# KiCad board ulx4m_panel.kicad_pcb (continued)
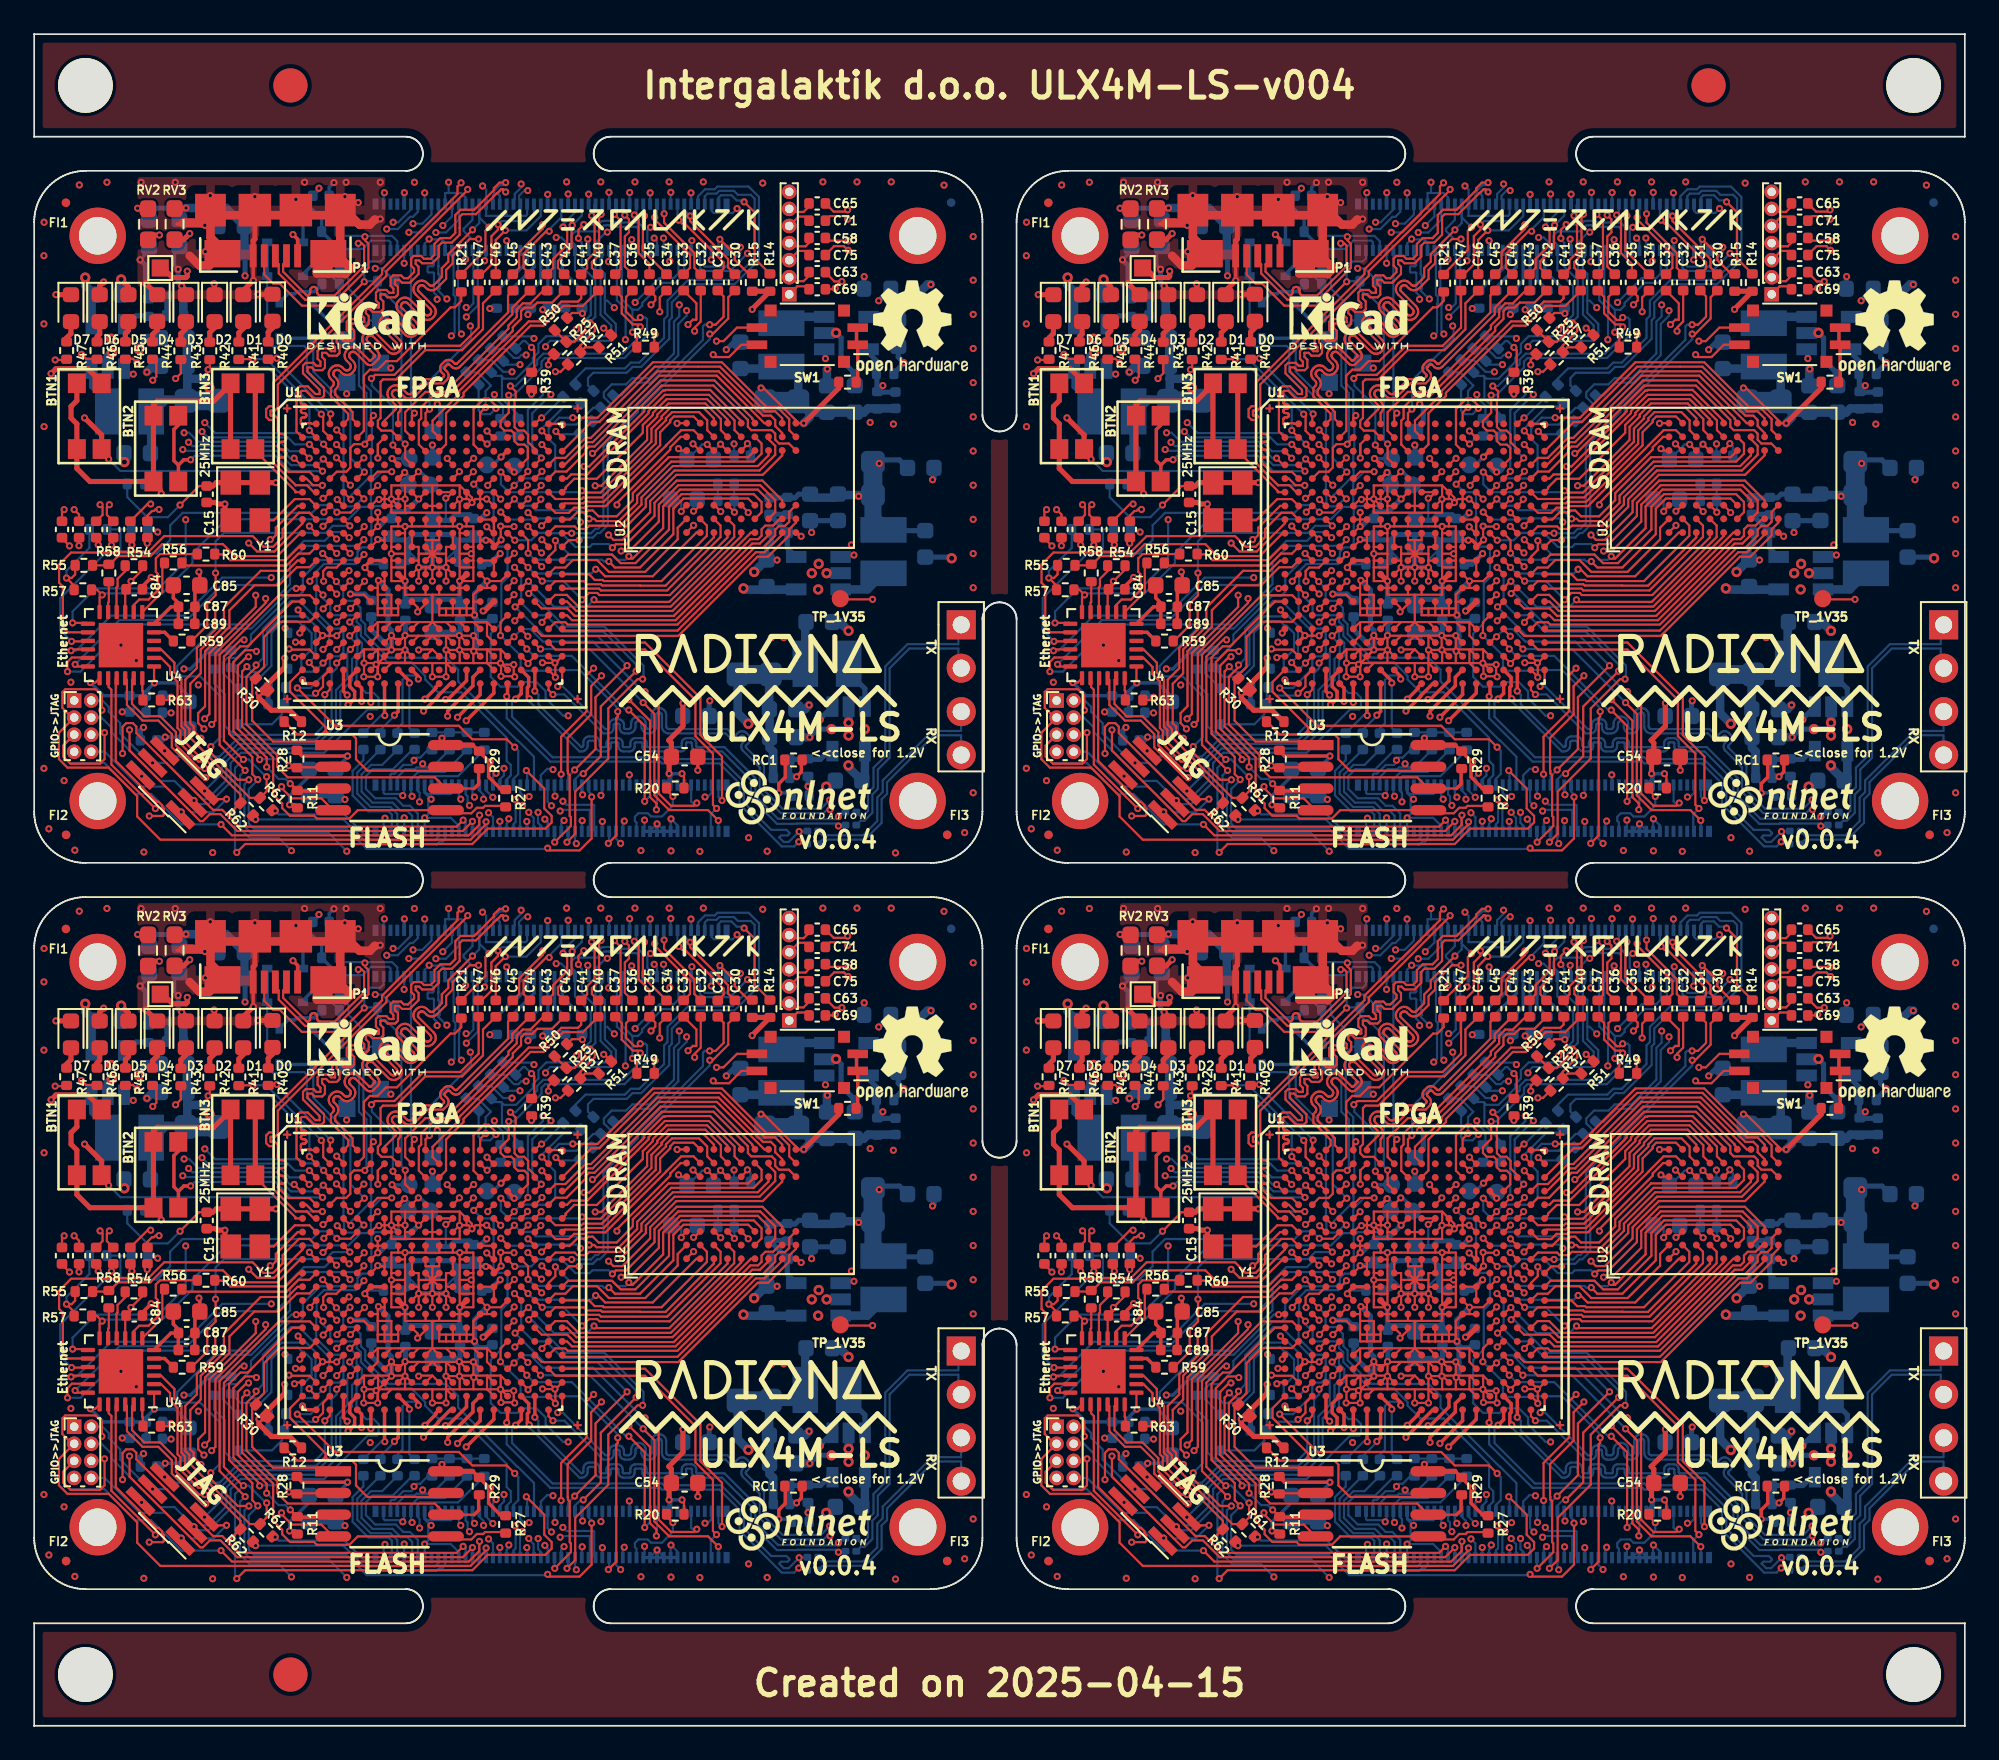
[diagram p0: board, top side]
## Nets (continued)
Board_1-GND: C1#3.2 C3#2.2 C4.2 C5#2.2 C7#3.2 C8#4.2 C9#4.2 C11#3.2 C12.2 C13#4.2 C14#4.2 C15.2 C16.2 C17#4.2 C18#3.2 C19#4.2 C20.2 C21#4.2 C22#4.2 C23.2 C24#2.2 C25#4.2 C26.2 C27#2.2 C28.2 C29#4.2 C38#3.2 C39#2.2 C48#3.2 C49#2.2 C50.2 C51#4.2 C52#2.2 C53#3.2 C54#3.2 C76#3.2 C78.2 C79#2.2 C80.2 C81#3.2 C82#3.2 C83.1 C84#3.2 C85#3.2 C86#3.2 C87#2.2 C88.2 C89#4.2 C90.2 C95#2.2 C96#4.2 C97#4.2 C98#3.2 D0#4.1 D1#3.1 D2.1 D3#4.1 D4#4.1 D5#4.1 D6.1 D7#2.1 D8#4.2 D9.2 H1.1 H2#3.1 H3.1 H4.1 J1#4.1 J1#4.2 J1#4.7 J1#4.8 J1#4.13 J1#4.14 J1#4.22 J1#4.23 J1#4.32 J1#4.33 J1#4.42 J1#4.43 J1#4.52 J1#4.53 J1#4.59 J1#4.60 J1#4.65 J1#4.66 J1#4.71 J1#4.74 J1#4.98 J2#3.7 J2#3.8 J2#3.13 J2#3.14 J2#3.19 J2#3.20 J2#3.25 J2#3.26 J2#3.31 J2#3.32 J2#3.37 J2#3.38 J2#3.44 J2#3.50 J2#3.55 J2#3.56 J2#3.61 J2#3.62 J2#3.67 J2#3.68 J2#3.73 J2#3.74 J2#3.79 J2#3.80 J2#3.85 J2#3.86 J2#3.91 J2#3.92 J2#3.97 J2#3.98 J3#4.1 J5.7 P1#4.5 P1#4.6 R9#4.1 R17#3.1 R39#4.2 R48#3.2 R49.2 R50.2 R51.2 R52#4.2 R63#3.2 RB1#3.1 RB2#3.1 RB3.1 RB4#4.1 RC2.1 U1#4.B7 U1#4.B14 U1#4.C19 U1#4.D4 U1#4.F7 U1#4.F8 U1#4.F13 U1#4.F14 U1#4.G4 U1#4.G6 U1#4.G7 U1#4.G8 U1#4.G9 U1#4.G10 U1#4.G11 U1#4.G12 U1#4.G13 U1#4.G14 U1#4.G15 U1#4.G17 U1#4.H19 U1#4.J2 U1#4.J7 U1#4.J9 U1#4.J10 U1#4.J11 U1#4.J12 U1#4.J14 U1#4.K6 U1#4.K7 U1#4.K9 U1#4.K10 U1#4.K11 U1#4.K12 U1#4.K14 U1#4.K15 U1#4.L9 U1#4.L10 U1#4.L11 U1#4.L12 U1#4.M2 U1#4.M7 U1#4.M9 U1#4.M10 U1#4.M11 U1#4.M12 U1#4.M14 U1#4.M16 U1#4.N6 U1#4.N7 U1#4.N14 U1#4.N15 U1#4.P7 U1#4.P8 U1#4.P11 U1#4.P12 U1#4.P13 U1#4.P14 U1#4.R4 U1#4.R19 U1#4.U4 U1#4.U7 U1#4.U8 U1#4.U9 U1#4.U10 U1#4.U11 U1#4.U12 U1#4.U13 U1#4.U14 U1#4.V5 U1#4.V6 U1#4.V7 U1#4.V8 U1#4.V9 U1#4.V12 U1#4.V13 U1#4.V14 U1#4.V15 U1#4.V16 U1#4.V19 U1#4.V20 U1#4.W6 U1#4.W7 U1#4.W12 U1#4.W15 U1#4.W16 U1#4.W19 U2#3.A1 U2#3.A3 U2#3.B7 U2#3.C3 U2#3.D7 U2#3.E3 U2#3.J1 U3#2.4 U4#2.25 U5#2.2 U6#4.2 U7#2.2 U8#4.2 Y1#4.2
Board_1-GP0: C41#2.1 U1#4.B11
Board_1-GP3: C43#3.1 U1#4.B9
Board_1-GP4: C45#3.1 U1#4.A7
Board_1-GP5: C47#3.1 U1#4.C8
Board_1-GPIO2: J1#4.58 U1#4.M17
Board_1-GPIO3: J1#4.56 U1#4.P17
Board_1-GPIO4: J1#4.54 U1#4.P16
Board_1-GPIO5: J1#4.34 U1#4.N1
Board_1-GPIO6: J1#4.30 U1#4.R1
Board_1-GPIO7: J1#4.37 U1#4.P3
Board_1-GPIO8: J1#4.39 U1#4.P4
Board_1-GPIO9: J1#4.40 U1#4.L5
Board_1-GPIO10: J1#4.44 R61#4.2 U1#4.K4 U4#2.3
Board_1-GPIO11: J1#4.38 U1#4.N2
Board_1-GPIO12: J1#4.31 J6#3.3 U1#4.L2
Board_1-GPIO13: J1#4.28 U1#4.T1
Board_1-GPIO14: J1#4.55 U1#4.N18
Board_1-GPIO15: J1#4.51 U1#4.N16
Board_1-GPIO16: J1#4.29 J6#3.5 U1#4.L1
Board_1-GPIO17: J1#4.50 U1#4.H3
Board_1-GPIO18: J1#4.49 U1#4.N5
Board_1-GPIO19: J1#4.26 U1#4.U1
Board_1-GPIO20: J1#4.27 J6#3.1 U1#4.L3
Board_1-GPIO21: J1#4.25 J6#3.7 R62.2 U1#4.L4 U4#2.2
Board_1-GPIO22: J1#4.46 U1#4.M3
Board_1-GPIO23: J1#4.47 U1#4.N4
Board_1-GPIO24: J1#4.45 U1#4.N3
Board_1-GPIO25: J1#4.41 U1#4.P5
Board_1-GPIO26: J1#4.24 U1#4.V1
Board_1-GPIO27: J1#4.48 U1#4.R17
Board_1-GPIO_VREF: J1#4.78
Board_1-HDMI0_CEC: J2#3.51 R8#2.2
Board_1-HDMI0_CLK_N: C30#2.2 J2#3.90
Board_1-HDMI0_CLK_P: C31#4.2 J2#3.88
Board_1-HDMI0_HOTPLUG: J2#3.53 R9#4.2
Board_1-HDMI0_SCL: J2#3.100 R14#4.2
Board_1-HDMI0_SDA: J2#3.99 R15.2
Board_1-HDMI0_TX0_N: C32#3.2 J2#3.84
Board_1-HDMI0_TX0_P: C33.2 J2#3.82
Board_1-HDMI0_TX1_N: C34#4.2 J2#3.78
Board_1-HDMI0_TX1_P: C35#4.2 J2#3.76
Board_1-HDMI0_TX2_N: C36#2.2 J2#3.72
Board_1-HDMI0_TX2_P: C37#2.2 J2#3.70
Board_1-HDMI1_CEC: J2#3.49 R16#2.2
Board_1-HDMI1_CLK_N: C40#3.2 J2#3.66
Board_1-HDMI1_CLK_P: C41#2.2 J2#3.64
Board_1-HDMI1_HOTPLUG: J2#3.43 R17#3.2
Board_1-HDMI1_SCL: J2#3.47 R10#3.2
Board_1-HDMI1_SDA: J2#3.45 R13#4.2
Board_1-HDMI1_TX0_N: C42#3.2 J2#3.60
Board_1-HDMI1_TX0_P: C43#3.2 J2#3.58
Board_1-HDMI1_TX1_N: C44.2 J2#3.54
Board_1-HDMI1_TX1_P: C45#3.2 J2#3.52
Board_1-HDMI1_TX2_N: C46#4.2 J2#3.48
Board_1-HDMI1_TX2_P: C47#3.2 J2#3.46
Board_1-ID_SC: J1#4.35 U1#4.J3
Board_1-ID_SD: J1#4.36 U1#4.H1
Board_1-JTAG_TCK: J3#4.4 J6#3.2 U1#4.T5
Board_1-JTAG_TDI: J3#4.3 J6#3.4 U1#4.R5
Board_1-JTAG_TDO: J3#4.6 J6#3.6 U1#4.V4
Board_1-JTAG_TMS: J3#4.5 J6#3.8 U1#4.U5
Board_1-LED0: R40#4.1 U1#4.A3
Board_1-LED1: R41#2.1 U1#4.B3
Board_1-LED2: R42#4.1 U1#4.B2
Board_1-LED3: R43#2.1 U1#4.C3
Board_1-LED4: R44#4.1 U1#4.C2
Board_1-LED5: R45#4.1 U1#4.C1
Board_1-LED6: R46.1 U1#4.D1
Board_1-LED7: R47#4.1 U1#4.D3
Board_1-Net-(BTN1-Pad1): BTN1#3.1 BTN2#2.1 BTN3#4.1 R18#4.1
Board_1-Net-(R70-Pad2): R70#3.2 SW1#3.1 SW1#3.2
Board_1-Net-(RC1-Pad1): RC1#2.1 RC2.2
Board_1-Net-(U1A-PT13B): TP_D8.1 U1#4.D8
Board_1-Net-(U1A-PT20B): TP_E9.1 U1#4.E9
Board_1-Net-(U1B-GR_PCLK1_0): R26#3.2 U1#4.D12
Board_1-Net-(U1B-GR_PCLK1_1): R38.1 U1#4.E12
Board_1-Net-(U1B-PT80A): R25#2.2 U1#4.D13
Board_1-Net-(U1B-PT80B): R37#4.1 U1#4.E13
Board_1-Net-(U1B-PT83A): R24#4.2 U1#4.A14
Board_1-Net-(U1B-PT83B): R36#3.1 U1#4.C14
Board_1-Net-(U1B-PT112A): TP_C16.1 U1#4.C16
Board_1-Net-(U1B-PT112B): TP_D16.1 U1#4.D16
Board_1-Net-(U1B-PT119A): R23#2.2 U1#4.A18
Board_1-Net-(U1B-PT119B): R35.1 U1#4.B19
Board_1-Net-(U1B-PT121A): R22#3.2 U1#4.A19
Board_1-Net-(U1B-PT121B): R34.1 U1#4.B20
Board_1-nEXTRST: J1#4.100 U1#4.U20
Board_1-nRPIBOOT: J1#4.93
Board_1-PCIe_CLK_N: C66#4.2 J2#3.12
Board_1-PCIe_CLK_nREQ: J2#3.2 U1#4.A10
Board_1-PCIe_CLK_P: C59#3.1 J2#3.10
Board_1-PCIe_nRST: J2#3.9 U1#4.A9
Board_1-PCIe_RX_N: C67.2 J2#3.18
Board_1-PCIe_RX_P: C61#2.1 J2#3.16
Board_1-PCIe_TX_N: C72.2 J2#3.24
Board_1-PCIe_TX_P: C55#4.1 J2#3.22
Board_1-PI_LED_nPWR: J1#4.95
Board_1-Pi_nLED_Activity: J1#4.21
Board_1-PWRBTn: D28#2.1 TP_E8.1 U1#4.E8
Board_1-RGMII_REF_CLK: U1#4.H2 U4#2.14
Board_1-RGMII_RX_DV: R55.2 R58#4.1 U1#4.J1
Board_1-RGMII_RXD0: R60#3.2 U1#4.K1
Board_1-RGMII_RXD1: R56#3.2 U1#4.K2
Board_1-RGMII_TX_CLK: R59#3.2 U1#4.H4
Board_1-RGMII_TX_EN: U1#4.K3 U4#2.16
Board_1-RGMII_TXD0: U1#4.K5 U4#2.17
Board_1-RGMII_TXD1: U1#4.J4 U4#2.18
Board_1-RUN_PG: J1#4.92 U1#4.U16
Board_1-SCL0: J1#4.80 U1#4.U17
Board_1-SD_CLK: J1#4.57 U1#4.G1
Board_1-SD_CMD: J1#4.62 U1#4.P1
Board_1-SD_D0: J1#4.63 U1#4.B15
Board_1-SD_D1: J1#4.67 U1#4.R16
Board_1-SD_D2: J1#4.69 U1#4.E14
Board_1-SD_D3: J1#4.61 U1#4.P2
Board_1-SD_DAT4: J1#4.68
Board_1-SD_DAT5: J1#4.64
Board_1-SD_DAT6: J1#4.72
Board_1-SD_DAT7: J1#4.70
Board_1-SD_PWR_ON: J1#4.75 R20#4.1 U1#4.E15
Board_1-SD_VDD_Override: J1#4.73
Board_1-SDA0: J1#4.82 U1#4.T17
Board_1-SDRAM_A0: U1#4.H16 U2#3.H7
Board_1-SDRAM_A1: U1#4.D19 U2#3.H8
Board_1-SDRAM_A2: U1#4.F16 U2#3.J8
Board_1-SDRAM_A3: U1#4.E18 U2#3.J7
Board_1-SDRAM_A4: U1#4.T19 U2#3.J3
Board_1-SDRAM_A5: U1#4.T18 U2#3.J2
Board_1-SDRAM_A6: U1#4.J16 U2#3.H3
Board_1-SDRAM_A7: U1#4.P18 U2#3.H2
Board_1-SDRAM_A8: U1#4.T20 U2#3.H1
Board_1-SDRAM_A9: U1#4.L19 U2#3.G3
Board_1-SDRAM_A10: U1#4.C20 U2#3.H9
Board_1-SDRAM_A11: U1#4.K19 U2#3.G2
Board_1-SDRAM_A12: U1#4.R20 U2#3.G1
Board_1-SDRAM_BA0: U1#4.J19 U2#3.G7
Board_1-SDRAM_BA1: U1#4.L16 U2#3.G8
Board_1-SDRAM_CKE: U1#4.J17 U2#3.F3
Board_1-SDRAM_CLK: U1#4.L20 U2#3.F2
Board_1-SDRAM_D0: U1#4.J18 U2#3.A8
Board_1-SDRAM_D1: U1#4.G20 U2#3.B9
Board_1-SDRAM_D2: U1#4.G19 U2#3.B8
Board_1-SDRAM_D3: U1#4.E16 U2#3.C9
Board_1-SDRAM_D4: U1#4.F19 U2#3.C8
Board_1-SDRAM_D5: U1#4.F20 U2#3.D9
Board_1-SDRAM_D6: U1#4.H18 U2#3.D8
Board_1-SDRAM_D7: U1#4.F18 U2#3.E9
Board_1-SDRAM_D8: U1#4.P19 U2#3.E1
Board_1-SDRAM_D9: U1#4.N17 U2#3.D2
Board_1-SDRAM_D10: U1#4.M18 U2#3.D1
Board_1-SDRAM_D11: U1#4.N20 U2#3.C2
Board_1-SDRAM_D12: U1#4.N19 U2#3.C1
Board_1-SDRAM_D13: U1#4.M20 U2#3.B2
Board_1-SDRAM_D14: U1#4.M19 U2#3.A2
Board_1-SDRAM_D15: U1#4.L17 U2#3.B1
Board_1-SDRAM_DQM0: U1#4.E20 U2#3.E8
Board_1-SDRAM_DQM1: U1#4.P20 U2#3.F1
Board_1-SDRAM_nCAS: U1#4.H20 U2#3.F7
Board_1-SDRAM_nCS: U1#4.D20 U2#3.G9
Board_1-SDRAM_nRAS: U1#4.G16 U2#3.F8
Board_1-SDRAM_nWE: U1#4.E19 U2#3.F9
Board_1-SRCLK1N: C69#3.2 J5.1
Board_1-SRCLK1P: C63#3.1 J5.2
Board_1-SRX11N: C71.2 J5.5
Board_1-SRX11P: C65#3.1 J5.6
Board_1-STX11N: C75.2 J5.3
Board_1-STX11P: C58#2.1 J5.4
Board_1-SW1: SW1#3.4 U1#4.L18
Board_1-SW2: SW1#3.3 U1#4.K18
Board_1-unconnected-(J1-Pad76): J1#4.76
Board_1-unconnected-(J2-Pad4): J2#3.4
Board_1-unconnected-(J2-Pad6): J2#3.6
Board_1-unconnected-(U1A-GR_PCLK0_0-PadB10): U1#4.B10
Board_1-unconnected-(U1A-PCLKC0_1-PadA11): U1#4.A11
Board_1-unconnected-(U1A-PT6B-PadD6): U1#4.D6
Board_1-unconnected-(U1A-PT9A-PadE7): U1#4.E7
Board_1-unconnected-(U1A-PT9B-PadD7): U1#4.D7
Board_1-unconnected-(U1A-PT11A-PadC6): U1#4.C6
Board_1-unconnected-(U1A-PT11B-PadC7): U1#4.C7
Board_1-unconnected-(U1A-PT54A-PadC9): U1#4.C9
Board_1-unconnected-(U1A-PT56A-PadD10): U1#4.D10
Board_1-unconnected-(U1A-PT56B-PadE10): U1#4.E10
Board_1-unconnected-(U1B-PCLKC1_0-PadC12): U1#4.C12
Board_1-unconnected-(U1B-PCLKC1_1-PadE11): U1#4.E11
Board_1-unconnected-(U1B-PCLKT1_0-PadB12): U1#4.B12
Board_1-unconnected-(U1B-PCLKT1_1-PadD11): U1#4.D11
Board_1-unconnected-(U1B-PT76A-PadA12): U1#4.A12
Board_1-unconnected-(U1B-PT76B-PadA13): U1#4.A13
Board_1-unconnected-(U1B-PT78A-PadB13): U1#4.B13
Board_1-unconnected-(U1B-PT78B-PadC13): U1#4.C13
Board_1-unconnected-(U1B-PT85A-PadD14): U1#4.D14
Board_1-unconnected-(U1B-PT103A-PadA15): U1#4.A15
Board_1-unconnected-(U1B-PT105B-PadC15): U1#4.C15
Board_1-unconnected-(U1B-PT107A-PadD15): U1#4.D15
Board_1-unconnected-(U1B-PT110A-PadA16): U1#4.A16
Board_1-unconnected-(U1B-PT110B-PadB16): U1#4.B16
Board_1-unconnected-(U1B-PT114A-PadB17): U1#4.B17
Board_1-unconnected-(U1B-PT114B-PadC17): U1#4.C17
Board_1-unconnected-(U1B-PT116A-PadA17): U1#4.A17
Board_1-unconnected-(U1B-PT116B-PadB18): U1#4.B18
Board_1-unconnected-(U1C-PR20B-PadH17): U1#4.H17
Board_1-unconnected-(U1C-PR29A-PadK16): U1#4.K16
Board_1-unconnected-(U1C-PR29B-PadK17): U1#4.K17
Board_1-unconnected-(U1D-PR77A-PadT16): U1#4.T16
Board_1-unconnected-(U1D-PR89B-PadR18): U1#4.R18
Board_1-unconnected-(U1E-PL77A-PadM5): U1#4.M5
Board_1-unconnected-(U1E-PL89B-PadM1): U1#4.M1
Board_1-unconnected-(U1F-GR_PCLK7_0-PadH5): U1#4.H5
Board_1-unconnected-(U1F-PL11D-PadC5): U1#4.C5
Board_1-unconnected-(U1G-DOUT/CSOn-PadR3): U1#4.R3
Board_1-unconnected-(U4-XTAL2-Pad4): U4#2.4
Board_1-US2_ID: J2#3.1 P1#4.4 R19#4.1 U1#4.D9
Board_1-USB_FPGA_D+: D8#4.1 R2#4.2 R4#3.2 R5#3.2 U1#4.A6 U1#4.F4
Board_1-USB_FPGA_D-: D9.1 R1#3.2 R6#2.2 R7.2 U1#4.B6 U1#4.E3
Board_1-USB_FPGA_PULL_D+: D10#3.2 D11#3.1 U1#4.F5
Board_1-USB_FPGA_PULL_D-: D12#4.2 D13#3.1 U1#4.E5
Board_1-USB_N: J2#3.3 P1#4.2 R1#3.1
Board_1-USB_P: J2#3.5 P1#4.3 R2#4.1
Board_1-USER_PROGRAMN: D15#2.1 U1#4.M4
Board_1-VDAC_COMP: J2#3.11
Board_1-WL_nDisable: J1#4.89
Board_2-2V5_3V3: C26#3.1 C38#2.1 C48.1 C49#3.1 C53#2.1 RV2#3.2 RV3#3.1 U1#3.F9 U1#3.F10 U1#3.H6 U1#3.H7 U1#3.J6
Board_2-+1V1: 1.1V_1.1 C17#3.1 C27#4.1 C28#2.1 RP1.2 U1#3.H8 U1#3.H9 U1#3.H10 U1#3.H11 U1#3.H12 U1#3.H13 U1#3.J8 U1#3.J13 U1#3.K8 U1#3.K13 U1#3.L8 U1#3.L13 U1#3.M8 U1#3.M13 U1#3.N8 U1#3.N9 U1#3.N10 U1#3.N11 U1#3.N12 U1#3.N13 U1#3.T6 U1#3.T7 U1#3.T8 U1#3.T9 U1#3.T10 U1#3.T11 U1#3.T12 U1#3.T13 U1#3.T14 U1#3.T15 U1#3.U6 U1#3.U15
Board_2-+1V35: C77.1 C95.1 C96.1 C97#2.1 C98#2.1 L4#3.2 RA4#3.1 RP4#4.1 RP4#4.2 TP_1V35#2.1
Board_2-+2V5: C10.1 C11#2.1 C12#2.1 C19#3.1 C23#2.1 C29.1 C39#3.1 L2#3.2 RA2#4.1 RP2.1 RP2.2 RV2#3.1 U1#3.F6 U1#3.F15 U1#3.P6 U1#3.P15 U1#3.V10 U1#3.V11 U1#3.V17 U1#3.V18
Board_2-+3.3VA: C86#2.1 C88#2.1 C90#3.1 FB1#4.2 U4#3.1 U4#3.19
Board_2-+5V: C1#4.1 C5#4.1 C9.1 C76#4.1 J1#2.77 J1#2.79 J1#2.81 J1#2.83 J1#2.85 J1#2.87 P1.1 R10.1 R13#2.1 R14#2.1 R15#2.1 U5#4.1 U5#4.4 U6#2.1 U6#2.4 U7#3.1 U7#3.4 U8#2.1 U8#2.4
Board_2-/blinkey/ALED0: D0.2 R40#2.2
Board_2-/blinkey/ALED1: D1.2 R41#4.2
Board_2-/blinkey/ALED2: D2#2.2 R42#3.2
Board_2-/blinkey/ALED3: D3.2 R43#3.2
Board_2-/blinkey/ALED4: D4.2 R44#3.2
Board_2-/blinkey/ALED5: D5.2 R45#2.2
Board_2-/blinkey/ALED6: D6#2.2 R46#4.2
Board_2-/blinkey/ALED7: D7#3.2 R47#2.2
Board_2-/ethernet/ETH_7: R56#2.1 U4#3.7
Board_2-/ethernet/ETH_8: R60#4.1 U4#3.8
Board_2-/ethernet/ETH_10: R54.1 U4#3.10
Board_2-/ethernet/ETH_11: R58#2.2 U4#3.11
Board_2-/ethernet/RBIAS: R63.1 U4#3.24
Board_2-/ethernet/XTAL: R59#4.1 U4#3.5
Board_2-/flash/FLASH_MISO: R28#4.2 U1#3.V2 U3#4.2
Board_2-/flash/FLASH_MOSI: R27.2 U1#3.W2 U3#4.5
Board_2-/flash/FLASH_nCS: R30#3.2 U1#3.R2 U3#4.1
Board_2-/flash/FLASH_nHOLD: R12#3.2 U1#3.W1 U3#4.7
Board_2-/flash/FLASH_nWP: R11.2 U1#3.Y2 U3#4.3
Board_2-/flash/FLASH_SCK: R29#2.2 U1#3.U3 U3#4.6
Board_2-/flash/FPGA_DONE: R32.2 U1#3.Y3
Board_2-/flash/FPGA_INITN: R33.2 U1#3.V3
Board_2-/flash/FPGA_PROGRAMN: C99#2.1 D15.2 D28.2 R31#4.2 U1#3.W3
Board_2-/gpio/CAM0_D0_LP: R21#2.2 U1#3.B5
Board_2-/power/FB1: C2#2.2 RA1#3.2 RB1#4.2 RC1#3.2 U5#4.5
Board_2-/power/FB2: C10.2 RA2#4.2 RB2#2.2 U6#2.5
Board_2-/power/FB3: C6.2 RA3#2.2 RB3#2.2 U7#3.5
Board_2-/power/FB4: C77.2 RA4#3.2 RB4#3.2 U8#2.5
Board_2-/power/L1: L1.1 U5#4.3
Board_2-/power/L2: L2#3.1 U6#2.3
Board_2-/power/L3: L3.1 U7#3.3
Board_2-/power/L4: L4#3.1 U8#2.3
Board_2-/serdes/1N: C91#3.1 J4#3.1
Board_2-/serdes/1P: C92#2.1 J4#3.2
Board_2-/serdes/2N: C93#4.1 J4#3.3
Board_2-/serdes/2P: C94#2.1 J4#3.4
Board_2-/serdes/CLK_0_N: C66.1 U1#3.Y12
Board_2-/serdes/CLK_0_P: C59#2.2 U1#3.Y11
Board_2-/serdes/CLK_1_N: C69#4.1 U1#3.W20
Board_2-/serdes/CLK_1_P: C63#4.2 U1#3.Y19
Board_2-/serdes/S_0_N: C67#3.1 U1#3.Y6
Board_2-/serdes/S_0_P: C61#3.2 U1#3.Y5
Board_2-/serdes/S_1_N: C68#2.1 U1#3.Y8
Board_2-/serdes/S_1_P: C62#4.2 U1#3.Y7
Board_2-/serdes/S_2_N: C72#2.1 U1#3.W5
Board_2-/serdes/S_2_P: C55.2 U1#3.W4
Board_2-/serdes/S_3_N: C73.1 U1#3.W9
Board_2-/serdes/S_3_P: C56.2 U1#3.W8
Board_2-/serdes/S_4_N: U1#3.Y15
Board_2-/serdes/S_4_P: U1#3.Y14
Board_2-/serdes/S_5_N: C71#4.1 C93#4.2 U1#3.Y17
Board_2-/serdes/S_5_P: C65#2.2 C94#2.2 U1#3.Y16
Board_2-/serdes/S_6_N: U1#3.W14
Board_2-/serdes/S_6_P: U1#3.W13
Board_2-/serdes/S_7_N: C75#3.1 C91#3.2 U1#3.W18
Board_2-/serdes/S_7_P: C58.2 C92#2.2 U1#3.W17
Board_2-/usb/D10_R4: D10#2.1 R4.1
Board_2-/usb/D11_R5: D11#4.2 R5#4.1
Board_2-/usb/D12_R6: D12#3.1 R6.1
Board_2-/usb/D13_R7: D13#2.2 R7#2.1
Board_2-AnalogIP0: J1#2.96
Board_2-AnalogIP1: J1#2.94
Board_2-BT_nDisable: J1#2.91
Board_2-BTN1: BTN1.2 U1#3.E1
Board_2-BTN2: BTN2#3.2 U1#3.D2
Board_2-BTN3: BTN3#2.2 U1#3.F1
Board_2-CAM0_C_N: J2#4.40 U1#3.E2
Board_2-CAM0_C_P: J2#4.42 U1#3.F2
Board_2-CAM0_D0_N: J2#4.28 U1#3.A5
Board_2-CAM0_D0_P: J2#4.30 R21#2.1 U1#3.A4
Board_2-CAM0_D1_N: J2#4.34 U1#3.B1
Board_2-CAM0_D1_P: J2#4.36 U1#3.A2
Board_2-CAM1_C_N: J2#4.27 U1#3.F3
Board_2-CAM1_C_P: J2#4.29 U1#3.G3
Board_2-CAM1_D0_N: J2#4.15 U1#3.B4
Board_2-CAM1_D0_P: J2#4.17 U1#3.C4
Board_2-CAM1_D1_N: J2#4.21 U1#3.D5
Board_2-CAM1_D1_P: J2#4.23 U1#3.E4
Board_2-CAM1_D2_N: J2#4.33
Board_2-CAM1_D2_P: J2#4.35
Board_2-CAM1_D3_N: J2#4.39
Board_2-CAM1_D3_P: J2#4.41
Board_2-Camera_GPIO: J1#2.97 U1#3.U19
Board_2-CLK_25MHz: U1#3.G2 Y1.3
Board_2-CM4_1.8V: J1#2.88 J1#2.90
Board_2-CM4_3.3V: C6.1 C7#2.1 C8#2.1 C13#2.1 C14#3.1 C15#2.1 C16#2.1 C18.1 C20#4.1 C21#3.1 C24#3.1 C25#3.1 C50#4.1 C51#2.1 C52#3.1 C54#4.1 C78#4.1 C79#4.1 C80#3.1 C81#2.1 C82#4.1 C84#4.1 C99#2.2 FB1#4.1 J1#2.84 J1#2.86 J3.2 L3.2 R8.1 R11.1 R12#3.1 R16#4.1 R18.2 R19#3.2 R20#2.2 R27.1 R28#4.1 R29#2.1 R30#3.1 R31#4.1 R32.1 R33.1 R53#3.1 R54.2 R55#2.1 R57#4.1 R64.2 R65#3.2 R66#3.2 R67#3.2 R70.1 RA3#2.1 RP3.1 RP3.2 RV3#3.2 U1#3.F11 U1#3.F12 U1#3.H14 U1#3.H15 U1#3.J15 U1#3.L6 U1#3.L7 U1#3.L14 U1#3.L15 U1#3.M6 U1#3.M15 U1#3.P9 U1#3.P10 U1#3.T2 U1#3.T3 U1#3.T4 U1#3.U2 U2.A7 U2.A9 U2.B3 U2.C7 U2.D3 U2.E7 U2.J9 U3#4.8 U4#3.9 Y1.1 Y1.4
Board_2-DSI0_C_N: J2#4.69 J2#4.87 R38#4.2 R39#2.1
Board_2-DSI0_C_P: J2#4.71 J2#4.89 R26#2.1 R49#3.1
Board_2-DSI0_D0_N: J2#4.57 J2#4.75 R37.2 R51#3.1
Board_2-DSI0_D0_P: J2#4.59 J2#4.77 R25.1 R50#2.1
Board_2-DSI0_D1_N: J2#4.63 J2#4.81 R36.2 R48#2.1
Board_2-DSI0_D1_P: J2#4.65 J2#4.83 R24.1 R52#3.1
Board_2-DSI1_D2_N: J2#4.93 R34#3.2
Board_2-DSI1_D2_P: J2#4.95 R22#2.1
Board_2-DSI1_D3_N: J2#4.94 R35#2.2
Board_2-DSI1_D3_P: J2#4.96 R23#3.1
Board_2-EEPROM_nWP: J1#2.20
Board_2-ETH_0N: J1#2.10 R65#3.1 U4#3.20
Board_2-ETH_0P: J1#2.12 R64.1 U4#3.21
Board_2-ETH_1N: J1#2.6 R67#3.1 U4#3.22
Board_2-ETH_1P: J1#2.4 R66#3.1 U4#3.23
Board_2-ETH_2N: C73.2 J1#2.9
Board_2-ETH_2P: C56.1 J1#2.11
Board_2-ETH_3N: C68#2.2 J1#2.5
Board_2-ETH_3P: C62#4.1 J1#2.3
Board_2-ETH_MDC: U1#3.J5 U4#3.13
Board_2-ETH_MDIO: R57#4.2 U1#3.E6 U4#3.12
Board_2-ETH_nLED1: J1#2.19 R62#3.1
Board_2-ETH_nLED2: J1#2.17 R61#3.1
Board_2-ETH_nLED3: J1#2.15
Board_2-ETH_SYNC_IN: J1#2.16
Board_2-ETH_SYNC_OUT: J1#2.18
Board_2-ETH_~{RESET}: C83#3.2 R53#3.2 U1#3.G5 U4#3.15
Board_2-FPDI_CLK+: C31.1 U1#3.J20
Board_2-FPDI_CLK-: C30.1 U1#3.K20
Board_2-FPDI_D0+: C33#3.1 U1#3.F17
Board_2-FPDI_D0-: C32#4.1 U1#3.G18
Board_2-FPDI_D1+: C35#3.1 U1#3.D18
Board_2-FPDI_D1-: C34#2.1 U1#3.E17
Board_2-FPDI_D2+: C37.1 U1#3.C18
Board_2-FPDI_D2-: C36.1 U1#3.D17
Board_2-GLOBAL_EN: J1#2.99 U1#3.U18
Board_2-GN0: C40#4.1 U1#3.C11
Board_2-GN3: C42#4.1 U1#3.C10
Board_2-GN4: C44#3.1 U1#3.A8
Board_2-GN5: C46#2.1 U1#3.B8
Board_2-GND: C1#4.2 C3#4.2 C4#4.2 C5#4.2 C7#2.2 C8#2.2 C9.2 C11#2.2 C12#2.2 C13#2.2 C14#3.2 C15#2.2 C16#2.2 C17#3.2 C18.2 C19#3.2 C20#4.2 C21#3.2 C22#3.2 C23#2.2 C24#3.2 C25#3.2 C26#3.2 C27#4.2 C28#2.2 C29.2 C38#2.2 C39#3.2 C48.2 C49#3.2 C50#4.2 C51#2.2 C52#3.2 C53#2.2 C54#4.2 C76#4.2 C78#4.2 C79#4.2 C80#3.2 C81#2.2 C82#4.2 C83#3.1 C84#4.2 C85#2.2 C86#2.2 C87#3.2 C88#2.2 C89#3.2 C90#3.2 C95.2 C96.2 C97#2.2 C98#2.2 D0.1 D1.1 D2#2.1 D3.1 D4.1 D5.1 D6#2.1 D7#3.1 D8#3.2 D9#3.2 H1#3.1 H2#4.1 H3#2.1 H4#2.1 J1#2.1 J1#2.2 J1#2.7 J1#2.8 J1#2.13 J1#2.14 J1#2.22 J1#2.23 J1#2.32 J1#2.33 J1#2.42 J1#2.43 J1#2.52 J1#2.53 J1#2.59 J1#2.60 J1#2.65 J1#2.66 J1#2.71 J1#2.74 J1#2.98 J2#4.7 J2#4.8 J2#4.13 J2#4.14 J2#4.19 J2#4.20 J2#4.25 J2#4.26 J2#4.31 J2#4.32 J2#4.37 J2#4.38 J2#4.44 J2#4.50 J2#4.55 J2#4.56 J2#4.61 J2#4.62 J2#4.67 J2#4.68 J2#4.73 J2#4.74 J2#4.79 J2#4.80 J2#4.85 J2#4.86 J2#4.91 J2#4.92 J2#4.97 J2#4.98 J3.1 J5#4.7 P1.5 P1.6 R9#2.1 R17#2.1 R39#2.2 R48#2.2 R49#3.2 R50#2.2 R51#3.2 R52#3.2 R63.2 RB1#4.1 RB2#2.1 RB3#2.1 RB4#3.1 RC2#3.1 U1#3.B7 U1#3.B14 U1#3.C19 U1#3.D4 U1#3.F7 U1#3.F8 U1#3.F13 U1#3.F14 U1#3.G4 U1#3.G6 U1#3.G7 U1#3.G8 U1#3.G9 U1#3.G10 U1#3.G11 U1#3.G12 U1#3.G13 U1#3.G14 U1#3.G15 U1#3.G17 U1#3.H19 U1#3.J2 U1#3.J7 U1#3.J9 U1#3.J10 U1#3.J11 U1#3.J12 U1#3.J14 U1#3.K6 U1#3.K7 U1#3.K9 U1#3.K10 U1#3.K11 U1#3.K12 U1#3.K14 U1#3.K15 U1#3.L9 U1#3.L10 U1#3.L11 U1#3.L12 U1#3.M2 U1#3.M7 U1#3.M9 U1#3.M10 U1#3.M11 U1#3.M12 U1#3.M14 U1#3.M16 U1#3.N6 U1#3.N7 U1#3.N14 U1#3.N15 U1#3.P7 U1#3.P8 U1#3.P11 U1#3.P12 U1#3.P13 U1#3.P14 U1#3.R4 U1#3.R19 U1#3.U4 U1#3.U7 U1#3.U8 U1#3.U9 U1#3.U10 U1#3.U11 U1#3.U12 U1#3.U13 U1#3.U14 U1#3.V5 U1#3.V6 U1#3.V7 U1#3.V8 U1#3.V9 U1#3.V12 U1#3.V13 U1#3.V14 U1#3.V15 U1#3.V16 U1#3.V19 U1#3.V20 U1#3.W6 U1#3.W7 U1#3.W12 U1#3.W15 U1#3.W16 U1#3.W19 U2.A1 U2.A3 U2.B7 U2.C3 U2.D7 U2.E3 U2.J1 U3#4.4 U4#3.25 U5#4.2 U6#2.2 U7#3.2 U8#2.2 Y1.2
Board_2-GP0: C41.1 U1#3.B11
Board_2-GP3: C43#4.1 U1#3.B9
Board_2-GP4: C45#2.1 U1#3.A7
Board_2-GP5: C47.1 U1#3.C8
Board_2-GPIO2: J1#2.58 U1#3.M17
Board_2-GPIO3: J1#2.56 U1#3.P17
Board_2-GPIO4: J1#2.54 U1#3.P16
Board_2-GPIO5: J1#2.34 U1#3.N1
Board_2-GPIO6: J1#2.30 U1#3.R1
Board_2-GPIO7: J1#2.37 U1#3.P3
Board_2-GPIO8: J1#2.39 U1#3.P4
Board_2-GPIO9: J1#2.40 U1#3.L5
Board_2-GPIO10: J1#2.44 R61#3.2 U1#3.K4 U4#3.3
Board_2-GPIO11: J1#2.38 U1#3.N2
Board_2-GPIO12: J1#2.31 J6.3 U1#3.L2
Board_2-GPIO13: J1#2.28 U1#3.T1
Board_2-GPIO14: J1#2.55 U1#3.N18
Board_2-GPIO15: J1#2.51 U1#3.N16
Board_2-GPIO16: J1#2.29 J6.5 U1#3.L1
Board_2-GPIO17: J1#2.50 U1#3.H3
Board_2-GPIO18: J1#2.49 U1#3.N5
Board_2-GPIO19: J1#2.26 U1#3.U1
Board_2-GPIO20: J1#2.27 J6.1 U1#3.L3
Board_2-GPIO21: J1#2.25 J6.7 R62#3.2 U1#3.L4 U4#3.2
Board_2-GPIO22: J1#2.46 U1#3.M3
Board_2-GPIO23: J1#2.47 U1#3.N4
Board_2-GPIO24: J1#2.45 U1#3.N3
Board_2-GPIO25: J1#2.41 U1#3.P5
Board_2-GPIO26: J1#2.24 U1#3.V1
Board_2-GPIO27: J1#2.48 U1#3.R17
Board_2-GPIO_VREF: J1#2.78
Board_2-HDMI0_CEC: J2#4.51 R8.2
Board_2-HDMI0_CLK_N: C30.2 J2#4.90
Board_2-HDMI0_CLK_P: C31.2 J2#4.88
Board_2-HDMI0_HOTPLUG: J2#4.53 R9#2.2
Board_2-HDMI0_SCL: J2#4.100 R14#2.2
Board_2-HDMI0_SDA: J2#4.99 R15#2.2
Board_2-HDMI0_TX0_N: C32#4.2 J2#4.84
Board_2-HDMI0_TX0_P: C33#3.2 J2#4.82
Board_2-HDMI0_TX1_N: C34#2.2 J2#4.78
Board_2-HDMI0_TX1_P: C35#3.2 J2#4.76
Board_2-HDMI0_TX2_N: C36.2 J2#4.72
Board_2-HDMI0_TX2_P: C37.2 J2#4.70
Board_2-HDMI1_CEC: J2#4.49 R16#4.2
Board_2-HDMI1_CLK_N: C40#4.2 J2#4.66
Board_2-HDMI1_CLK_P: C41.2 J2#4.64
Board_2-HDMI1_HOTPLUG: J2#4.43 R17#2.2
Board_2-HDMI1_SCL: J2#4.47 R10.2
Board_2-HDMI1_SDA: J2#4.45 R13#2.2
Board_2-HDMI1_TX0_N: C42#4.2 J2#4.60
Board_2-HDMI1_TX0_P: C43#4.2 J2#4.58
Board_2-HDMI1_TX1_N: C44#3.2 J2#4.54
Board_2-HDMI1_TX1_P: C45#2.2 J2#4.52
Board_2-HDMI1_TX2_N: C46#2.2 J2#4.48
Board_2-HDMI1_TX2_P: C47.2 J2#4.46
Board_2-ID_SC: J1#2.35 U1#3.J3
Board_2-ID_SD: J1#2.36 U1#3.H1
Board_2-JTAG_TCK: J3.4 J6.2 U1#3.T5
Board_2-JTAG_TDI: J3.3 J6.4 U1#3.R5
Board_2-JTAG_TDO: J3.6 J6.6 U1#3.V4
Board_2-JTAG_TMS: J3.5 J6.8 U1#3.U5
Board_2-LED0: R40#2.1 U1#3.A3
Board_2-LED1: R41#4.1 U1#3.B3
Board_2-LED2: R42#3.1 U1#3.B2
Board_2-LED3: R43#3.1 U1#3.C3
Board_2-LED4: R44#3.1 U1#3.C2
Board_2-LED5: R45#2.1 U1#3.C1
Board_2-LED6: R46#4.1 U1#3.D1
Board_2-LED7: R47#2.1 U1#3.D3
Board_2-Net-(BTN1-Pad1): BTN1.1 BTN2#3.1 BTN3#2.1 R18.1
Board_2-Net-(R70-Pad2): R70.2 SW1.1 SW1.2
Board_2-Net-(RC1-Pad1): RC1#3.1 RC2#3.2
Board_2-Net-(U1A-PT13B): TP_D8#4.1 U1#3.D8
Board_2-Net-(U1A-PT20B): TP_E9#4.1 U1#3.E9
Board_2-Net-(U1B-GR_PCLK1_0): R26#2.2 U1#3.D12
Board_2-Net-(U1B-GR_PCLK1_1): R38#4.1 U1#3.E12
Board_2-Net-(U1B-PT80A): R25.2 U1#3.D13
Board_2-Net-(U1B-PT80B): R37.1 U1#3.E13
Board_2-Net-(U1B-PT83A): R24.2 U1#3.A14
Board_2-Net-(U1B-PT83B): R36.1 U1#3.C14
Board_2-Net-(U1B-PT112A): TP_C16#2.1 U1#3.C16
Board_2-Net-(U1B-PT112B): TP_D16#3.1 U1#3.D16
Board_2-Net-(U1B-PT119A): R23#3.2 U1#3.A18
Board_2-Net-(U1B-PT119B): R35#2.1 U1#3.B19
Board_2-Net-(U1B-PT121A): R22#2.2 U1#3.A19
Board_2-Net-(U1B-PT121B): R34#3.1 U1#3.B20
Board_2-nEXTRST: J1#2.100 U1#3.U20
Board_2-nRPIBOOT: J1#2.93
Board_2-PCIe_CLK_N: C66.2 J2#4.12
Board_2-PCIe_CLK_nREQ: J2#4.2 U1#3.A10
Board_2-PCIe_CLK_P: C59#2.1 J2#4.10
Board_2-PCIe_nRST: J2#4.9 U1#3.A9
Board_2-PCIe_RX_N: C67#3.2 J2#4.18
Board_2-PCIe_RX_P: C61#3.1 J2#4.16
Board_2-PCIe_TX_N: C72#2.2 J2#4.24
Board_2-PCIe_TX_P: C55.1 J2#4.22
Board_2-PI_LED_nPWR: J1#2.95
Board_2-Pi_nLED_Activity: J1#2.21
Board_2-PWRBTn: D28.1 TP_E8#4.1 U1#3.E8
Board_2-RGMII_REF_CLK: U1#3.H2 U4#3.14
Board_2-RGMII_RX_DV: R55#2.2 R58#2.1 U1#3.J1
Board_2-RGMII_RXD0: R60#4.2 U1#3.K1
Board_2-RGMII_RXD1: R56#2.2 U1#3.K2
Board_2-RGMII_TX_CLK: R59#4.2 U1#3.H4
Board_2-RGMII_TX_EN: U1#3.K3 U4#3.16
Board_2-RGMII_TXD0: U1#3.K5 U4#3.17
Board_2-RGMII_TXD1: U1#3.J4 U4#3.18
Board_2-RUN_PG: J1#2.92 U1#3.U16
Board_2-SCL0: J1#2.80 U1#3.U17
Board_2-SD_CLK: J1#2.57 U1#3.G1
Board_2-SD_CMD: J1#2.62 U1#3.P1
Board_2-SD_D0: J1#2.63 U1#3.B15
Board_2-SD_D1: J1#2.67 U1#3.R16
Board_2-SD_D2: J1#2.69 U1#3.E14
Board_2-SD_D3: J1#2.61 U1#3.P2
Board_2-SD_DAT4: J1#2.68
Board_2-SD_DAT5: J1#2.64
Board_2-SD_DAT6: J1#2.72
Board_2-SD_DAT7: J1#2.70
Board_2-SD_PWR_ON: J1#2.75 R20#2.1 U1#3.E15
Board_2-SD_VDD_Override: J1#2.73
Board_2-SDA0: J1#2.82 U1#3.T17
Board_2-SDRAM_A0: U1#3.H16 U2.H7
Board_2-SDRAM_A1: U1#3.D19 U2.H8
Board_2-SDRAM_A2: U1#3.F16 U2.J8
Board_2-SDRAM_A3: U1#3.E18 U2.J7
Board_2-SDRAM_A4: U1#3.T19 U2.J3
Board_2-SDRAM_A5: U1#3.T18 U2.J2
Board_2-SDRAM_A6: U1#3.J16 U2.H3
Board_2-SDRAM_A7: U1#3.P18 U2.H2
Board_2-SDRAM_A8: U1#3.T20 U2.H1
Board_2-SDRAM_A9: U1#3.L19 U2.G3
Board_2-SDRAM_A10: U1#3.C20 U2.H9
Board_2-SDRAM_A11: U1#3.K19 U2.G2
Board_2-SDRAM_A12: U1#3.R20 U2.G1
Board_2-SDRAM_BA0: U1#3.J19 U2.G7
Board_2-SDRAM_BA1: U1#3.L16 U2.G8
Board_2-SDRAM_CKE: U1#3.J17 U2.F3
Board_2-SDRAM_CLK: U1#3.L20 U2.F2
Board_2-SDRAM_D0: U1#3.J18 U2.A8
Board_2-SDRAM_D1: U1#3.G20 U2.B9
Board_2-SDRAM_D2: U1#3.G19 U2.B8
Board_2-SDRAM_D3: U1#3.E16 U2.C9
Board_2-SDRAM_D4: U1#3.F19 U2.C8
Board_2-SDRAM_D5: U1#3.F20 U2.D9
Board_2-SDRAM_D6: U1#3.H18 U2.D8
Board_2-SDRAM_D7: U1#3.F18 U2.E9
Board_2-SDRAM_D8: U1#3.P19 U2.E1
Board_2-SDRAM_D9: U1#3.N17 U2.D2
Board_2-SDRAM_D10: U1#3.M18 U2.D1
Board_2-SDRAM_D11: U1#3.N20 U2.C2
Board_2-SDRAM_D12: U1#3.N19 U2.C1
Board_2-SDRAM_D13: U1#3.M20 U2.B2
Board_2-SDRAM_D14: U1#3.M19 U2.A2
Board_2-SDRAM_D15: U1#3.L17 U2.B1
Board_2-SDRAM_DQM0: U1#3.E20 U2.E8
Board_2-SDRAM_DQM1: U1#3.P20 U2.F1
Board_2-SDRAM_nCAS: U1#3.H20 U2.F7
Board_2-SDRAM_nCS: U1#3.D20 U2.G9
Board_2-SDRAM_nRAS: U1#3.G16 U2.F8
Board_2-SDRAM_nWE: U1#3.E19 U2.F9
Board_2-SRCLK1N: C69#4.2 J5#4.1
Board_2-SRCLK1P: C63#4.1 J5#4.2
Board_2-SRX11N: C71#4.2 J5#4.5
Board_2-SRX11P: C65#2.1 J5#4.6
Board_2-STX11N: C75#3.2 J5#4.3
Board_2-STX11P: C58.1 J5#4.4
Board_2-SW1: SW1.4 U1#3.L18
Board_2-SW2: SW1.3 U1#3.K18
Board_2-unconnected-(J1-Pad76): J1#2.76
Board_2-unconnected-(J2-Pad4): J2#4.4
Board_2-unconnected-(J2-Pad6): J2#4.6
Board_2-unconnected-(U1A-GR_PCLK0_0-PadB10): U1#3.B10
Board_2-unconnected-(U1A-PCLKC0_1-PadA11): U1#3.A11
Board_2-unconnected-(U1A-PT6B-PadD6): U1#3.D6
Board_2-unconnected-(U1A-PT9A-PadE7): U1#3.E7
Board_2-unconnected-(U1A-PT9B-PadD7): U1#3.D7
Board_2-unconnected-(U1A-PT11A-PadC6): U1#3.C6
Board_2-unconnected-(U1A-PT11B-PadC7): U1#3.C7
Board_2-unconnected-(U1A-PT54A-PadC9): U1#3.C9
Board_2-unconnected-(U1A-PT56A-PadD10): U1#3.D10
Board_2-unconnected-(U1A-PT56B-PadE10): U1#3.E10
Board_2-unconnected-(U1B-PCLKC1_0-PadC12): U1#3.C12
Board_2-unconnected-(U1B-PCLKC1_1-PadE11): U1#3.E11
Board_2-unconnected-(U1B-PCLKT1_0-PadB12): U1#3.B12
Board_2-unconnected-(U1B-PCLKT1_1-PadD11): U1#3.D11
Board_2-unconnected-(U1B-PT76A-PadA12): U1#3.A12
Board_2-unconnected-(U1B-PT76B-PadA13): U1#3.A13
Board_2-unconnected-(U1B-PT78A-PadB13): U1#3.B13
Board_2-unconnected-(U1B-PT78B-PadC13): U1#3.C13
Board_2-unconnected-(U1B-PT85A-PadD14): U1#3.D14
Board_2-unconnected-(U1B-PT103A-PadA15): U1#3.A15
Board_2-unconnected-(U1B-PT105B-PadC15): U1#3.C15
Board_2-unconnected-(U1B-PT107A-PadD15): U1#3.D15
Board_2-unconnected-(U1B-PT110A-PadA16): U1#3.A16